# Altium PCB GEM_AFE_128.PcbDoc (part 9 of 18)
Units mm, origin at the board's own origin, x right, y up, seen from the top; angles counter-clockwise.
Board outline 112 x 81.5 mm, 8 copper layers (Top Layer, L1, L2, L3, L4, L5, L6, Bottom Layer), stack 1.52 mm thick; 1880 components, 1258 nets, 6287 pads, 2369 vias.
Unrouted connection lines stored in the file: 4.
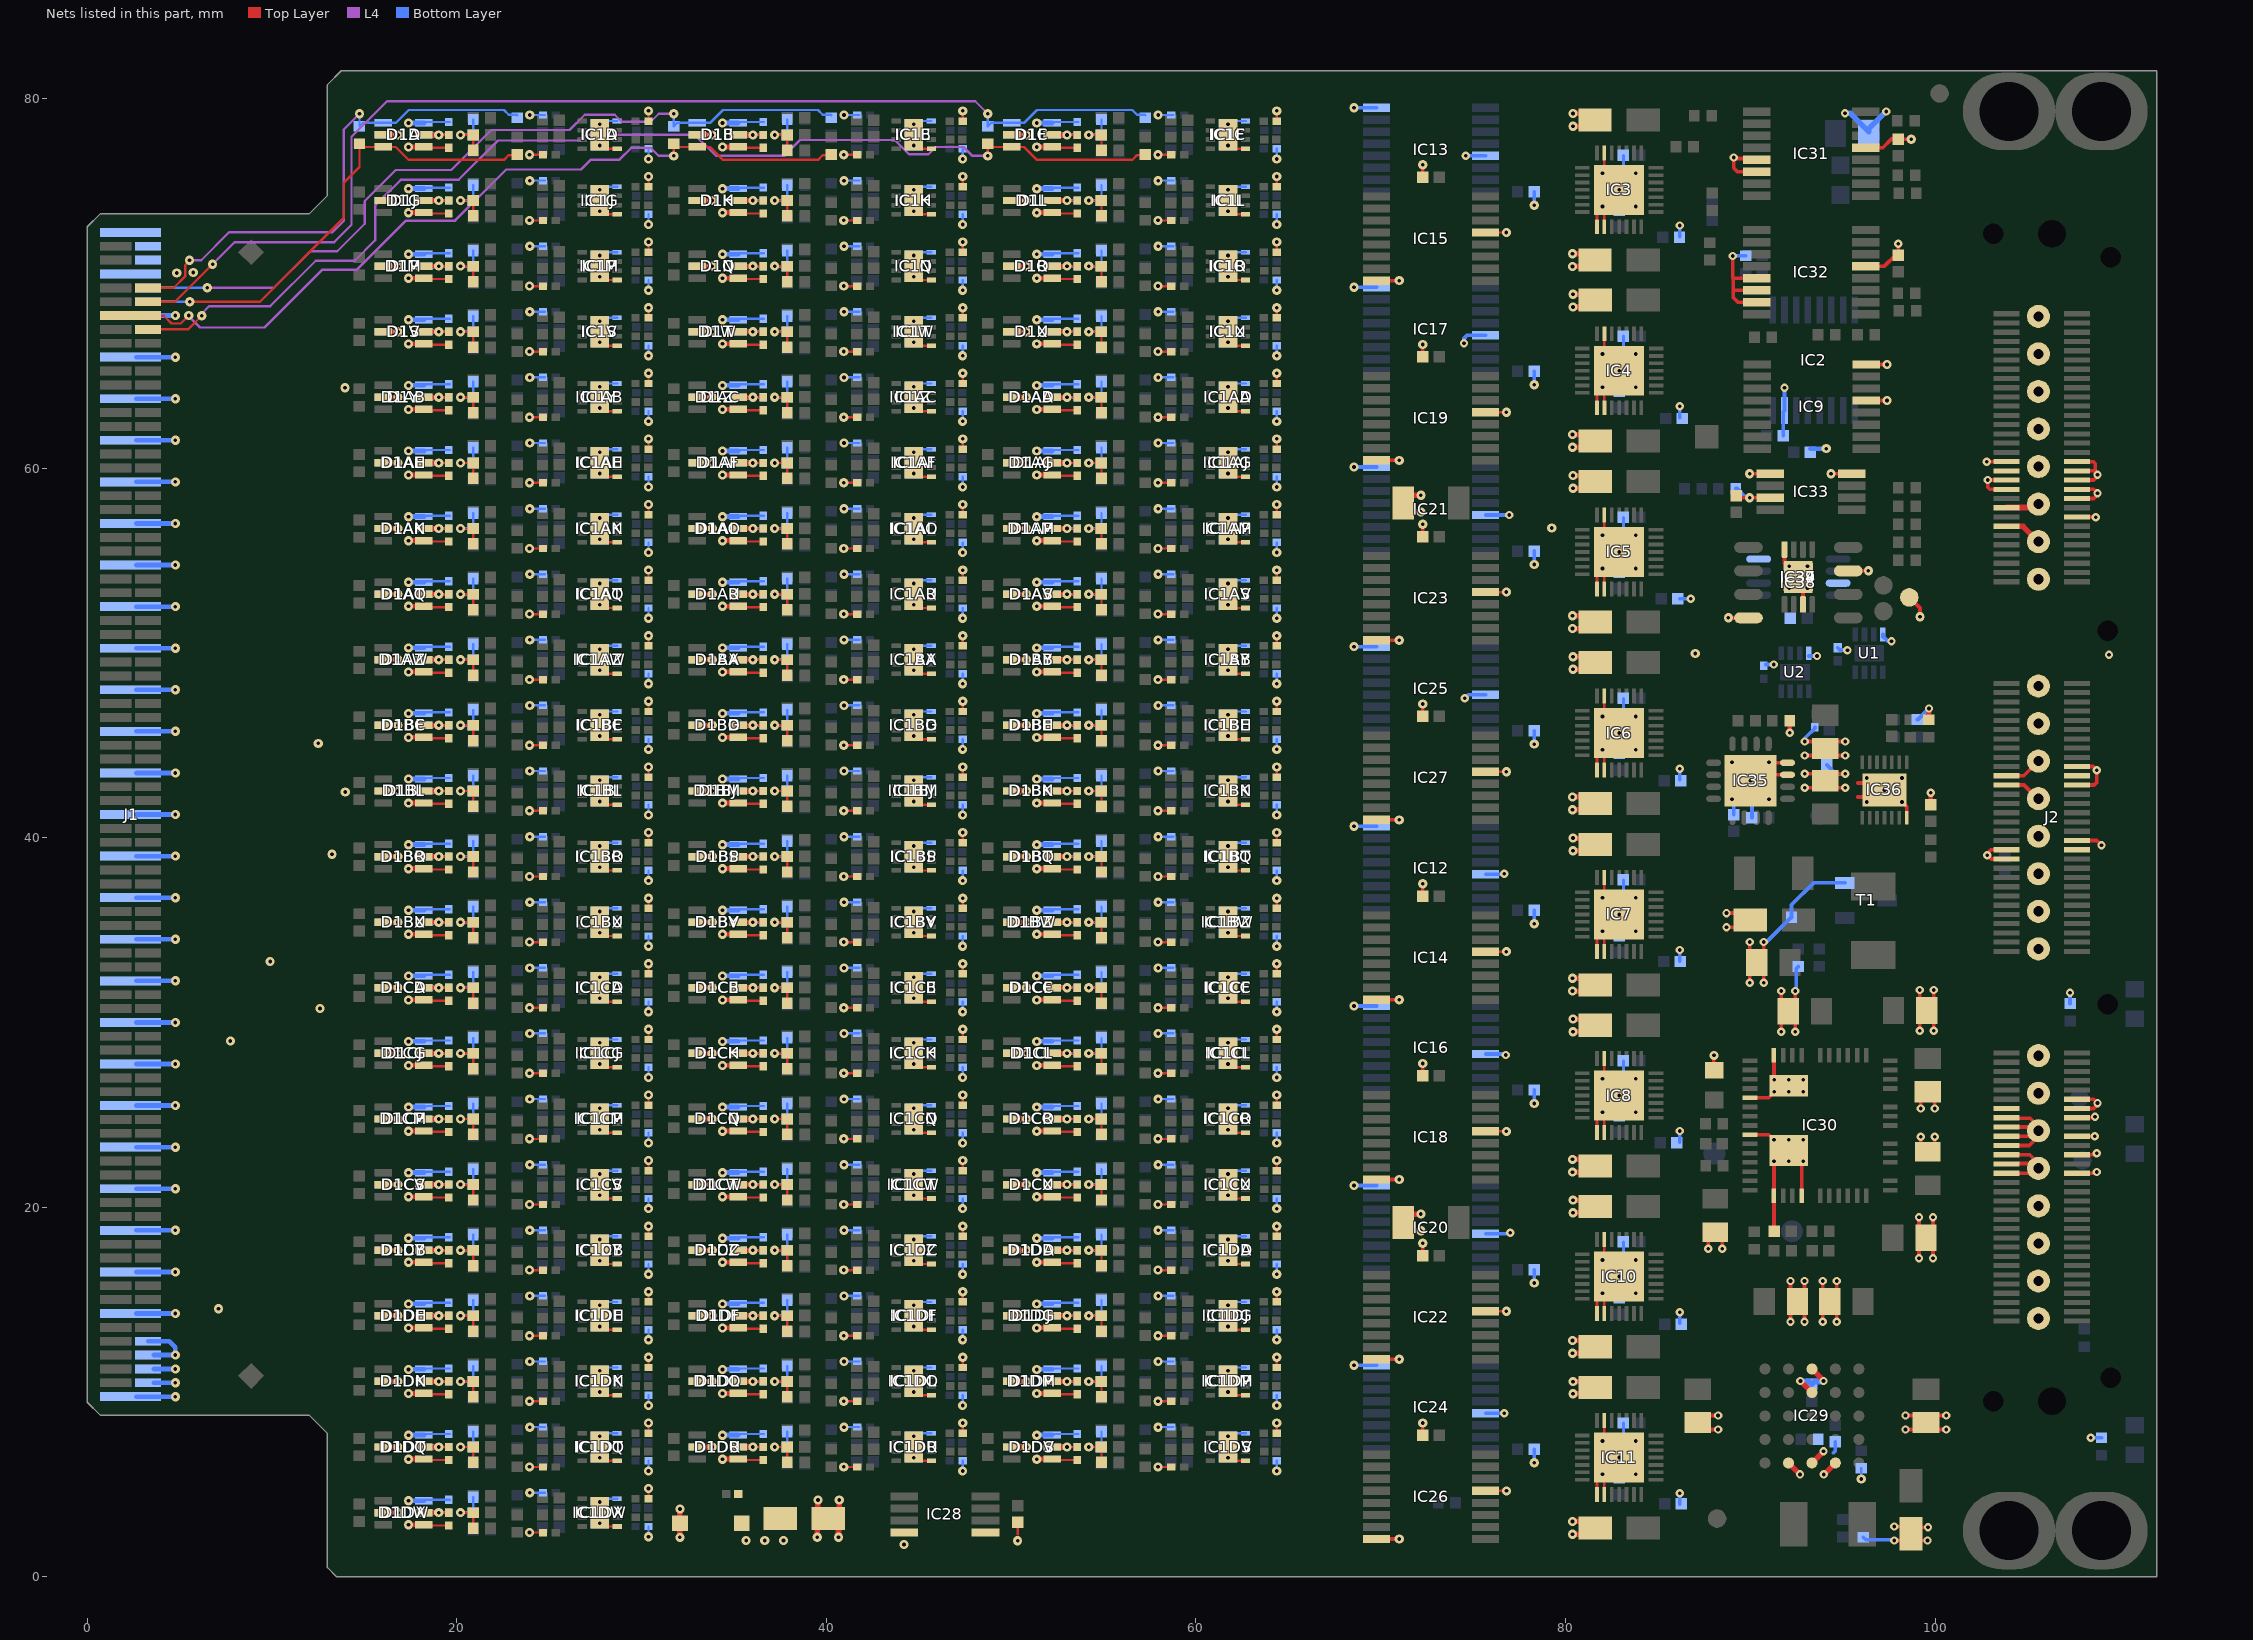
[diagram p15: the nets of this part, all layers, seen from the top]

## Via types
v1: diameter 0.5, hole 0.2, Top Layer to Bottom Layer, tented both sides, 1849 vias
v2: diameter 0.45, hole 0.2, Top Layer to Bottom Layer, tented both sides, 506 vias
v3: diameter 0.45, hole 0.2, Top Layer to Bottom Layer, 14 vias

## Nets (pads, with @x,y where several pads share a name; then routed paths per layer and width w, separated by ;. In a path a pad name is that pad's centre, name@x,y a point inside that pad or via, vN(x,y) a via of type N, cw(c..) or ccw(c..) an arc to the next point about the centre after c; other vN are vias at no path point) (continued)
GND: (continued)
  Bottom Layer w0.127: D1DW.4@18.225,4.125 18.275,4.175 C3DW.1@19.625,4.175 ; D1DQ.4@18.225,7.675 18.275,7.725 C3DQ.1@19.625,7.725 ; D1DK.4@18.225,11.225 18.275,11.275 C3DK.1@19.625,11.275 ; D1DE.4@18.225,14.775 18.275,14.825 C3DE.1@19.625,14.825 ; D1CY.4@18.225,18.325 18.275,18.375 C3CY.1@19.625,18.375 ; D1CS.4@18.225,21.875 18.275,21.925 C3CS.1@19.625,21.925 ; D1CM.4@18.225,25.425 18.275,25.475 C3CM.1@19.625,25.475 ; D1CG.4@18.225,28.975 18.275,29.025 C3CG.1@19.625,29.025 ; D1CA.4@18.225,32.525 18.275,32.575 C3CA.1@19.625,32.575 ; D1BU.4@18.225,36.075 18.275,36.125 C3BU.1@19.625,36.125 ; D1BO.4@18.225,39.625 18.275,39.675 C3BO.1@19.625,39.675 ; D1BI.4@18.225,43.175 18.275,43.225 C3BI.1@19.625,43.225 ; D1BC.4@18.225,46.725 18.275,46.775 C3BC.1@19.625,46.775 ; D1AW.4@18.225,50.275 18.275,50.325 C3AW.1@19.625,50.325 ; D1AQ.4@18.225,53.825 18.275,53.875 C3AQ.1@19.625,53.875 ; D1AK.4@18.225,57.375 18.275,57.425 C3AK.1@19.625,57.425 ; D1AE.4@18.225,60.925 18.275,60.975 C3AE.1@19.625,60.975 ; D1Y.4@18.225,64.475 18.275,64.525 C3Y.1@19.625,64.525 ; D1S.4@18.225,68.025 18.275,68.075 C3S.1@19.625,68.075 ; D1M.4@18.225,71.575 18.275,71.625 C3M.1@19.625,71.625 ; D1G.4@18.225,75.125 18.275,75.175 C3G.1@19.625,75.175 ; D1A.4@18.225,78.675 18.275,78.725 C3A.1@19.625,78.725 ; v1(20.199,3.475) R2DW.1@20.887,3.475 R1DW.1@20.887,4.309 ; v1(20.199,7.025) R2DQ.1@20.887,7.025 R1DQ.1@20.887,7.859 ; v1(20.199,10.575) R2DK.1@20.887,10.575 ; v1(20.199,14.125) R2DE.1@20.887,14.125 R1DE.1@20.887,14.959 ; v1(20.199,17.675) R2CY.1@20.887,17.675 R1CY.1@20.887,18.509 ; v1(20.199,21.225) R2CS.1@20.887,21.225 R1CS.1@20.887,22.059 ; v1(20.199,24.775) R2CM.1@20.887,24.775 R1CM.1@20.887,25.609 ; v1(20.199,28.325) R2CG.1@20.887,28.325 R1CG.1@20.887,29.159 ; v1(20.199,31.875) R2CA.1@20.887,31.875 R1CA.1@20.887,32.709 ; v1(20.199,35.425) R2BU.1@20.887,35.425 R1BU.1@20.887,36.259 ; v1(20.199,38.975) R2BO.1@20.887,38.975 R1BO.1@20.887,39.809 ; v1(20.199,42.525) 20.887,42.525 R1BI.1@20.887,43.359 ; v1(20.199,46.075) R2BC.1@20.887,46.075 R1BC.1@20.887,46.909 ; v1(20.199,49.625) R2AW.1@20.887,49.625 R1AW.1@20.887,50.459 ; v1(20.199,53.175) R2AQ.1@20.887,53.175 R1AQ.1@20.887,54.009 ; v1(20.199,56.725) R2AK.1@20.887,56.725 R1AK.1@20.887,57.559 ; v1(20.199,60.275) R2AE.1@20.887,60.275 R1AE.1@20.887,61.109 ; v1(20.199,63.825) R2Y.1@20.887,63.825 R1Y.1@20.887,64.659 ; v1(20.199,67.375) R2S.1@20.887,67.375 R1S.1@20.887,68.209 ; v1(20.199,70.925) R2M.1@20.887,70.925 R1M.1@20.887,71.759 ; v1(20.199,74.475) R2G.1@20.887,74.475 R1G.1@20.887,75.309 ; v1(20.199,78.025) R2A.1@20.887,78.025 R1A.1@20.887,78.859 ; R2DK.1@20.887,10.575 R1DK.1@20.887,11.409 ; v1@23.991,4.555 C4DW.1@24.775,4.555 ; v1@23.991,8.105 C4DQ.1@24.664,8.105 C4DQ.1@24.775,8.105 ; v1@23.991,11.655 C4DK.1@24.775,11.655 ; v1@23.991,15.205 C4DE.1@24.775,15.205 ; v1@23.991,18.755 C4CY.1@24.775,18.755 ; v1@23.991,22.305 C4CS.1@24.775,22.305 ; v1@23.991,25.855 C4CM.1@24.775,25.855 ; v1@23.991,29.405 C4CG.1@24.775,29.405 ; v1@23.991,32.955 C4CA.1@24.775,32.955 ; v1@23.991,36.505 C4BU.1@24.775,36.505 ; v1@23.991,40.055 C4BO.1@24.775,40.055 ; v1@23.991,43.605 C4BI.1@24.775,43.605 ; v1@23.991,47.155 C4BC.1@24.775,47.155 ; v1@23.991,50.705 C4AW.1@24.775,50.705 ; v1@23.991,54.255 C4AQ.1@24.775,54.255 ; v1@23.991,57.805 C4AK.1@24.775,57.805 ; v1@23.991,61.355 C4AE.1@24.775,61.355 ; v1@23.991,64.905 C4Y.1@24.775,64.905 ; v1@23.991,68.455 C4S.1@24.775,68.455 ; v1@23.991,72.005 C4M.1@24.775,72.005 ; v1@23.991,75.555 C4G.1@24.775,75.555 ; v1@23.991,79.105 C4A.1@24.775,79.105 ; IC1DW.9@27.693,4.225 IC1DW.5@28.686,4.225 ; IC1DQ.9@27.693,7.775 IC1DQ.5@28.675,7.775 IC1DQ.5@28.686,7.775 ; IC1DK.9@27.693,11.325 IC1DK.5@28.685,11.325 ; IC1DE.9@27.693,14.875 IC1DE.5@28.686,14.875 ; IC1CY.9@27.693,18.425 IC1CY.5@28.686,18.425 ; IC1CS.9@27.693,21.975 IC1CS.5@28.686,21.975 ; IC1CM.9@27.693,25.525 IC1CM.5@28.685,25.525 ; IC1CG.9@27.693,29.075 IC1CG.5@28.685,29.075 ; IC1CA.9@27.693,32.625 IC1CA.5@28.686,32.625 ; IC1BU.9@27.693,36.175 IC1BU.5@28.686,36.175 ; IC1BO.9@27.693,39.725 IC1BO.5@28.686,39.725 ; IC1BI.9@27.693,43.275 IC1BI.5@28.685,43.275 ; IC1BC.9@27.693,46.825 IC1BC.5@28.686,46.825 ; IC1AW.9@27.693,50.375 IC1AW.5@28.686,50.375 ; IC1AQ.9@27.693,53.925 IC1AQ.5@28.686,53.925 ; IC1AK.9@27.693,57.475 IC1AK.5@28.686,57.475 ; IC1AE.9@27.693,61.025 IC1AE.5@28.686,61.025 ; IC1Y.9@27.693,64.575 IC1Y.5@28.686,64.575 ; IC1S.9@27.693,68.125 IC1S.5@28.686,68.125 ; IC1M.9@27.693,71.675 IC1M.5@28.686,71.675 ; IC1G.9@27.693,75.225 IC1G.5@28.686,75.225 ; IC1A.9@27.693,78.775 IC1A.5@28.686,78.775 ; v1@30.374,2.175 C6DW.1@30.374,2.724 ; v1(30.373,5.724) C6DQ.1@30.374,6.274 ; v1(30.373,9.274) C6DK.1@30.374,9.824 ; v1@30.374,12.825 C6DE.1@30.374,13.374 ; v1(30.373,16.374) C6CY.1@30.374,16.924 ; v1(30.373,19.924) C6CS.1@30.374,20.474 ; v1@30.374,23.475 C6CM.1@30.374,24.024 ; v1(30.373,27.024) C6CG.1@30.374,27.574 ; v1@30.374,30.575 C6CA.1@30.374,31.124 ; v1@30.374,34.125 C6BU.1@30.374,34.674 ; v1(30.373,37.674) C6BO.1@30.374,38.224 ; v1@30.374,41.225 C6BI.1@30.374,41.774 ; v1(30.373,44.774) C6BC.1@30.374,45.324 ; v1(30.373,48.324) C6AW.1@30.374,48.874 ; v1@30.374,51.875 C6AQ.1@30.374,52.424 ; v1(30.373,55.424) C6AK.1@30.374,55.974 ; v1(30.373,58.974) C6AE.1@30.374,59.524 ; v1@30.374,62.525 C6Y.1@30.374,63.074 ; v1(30.373,66.074) C6S.1@30.374,66.624 ; v1@30.374,69.625 C6M.1@30.374,70.174 ; v1@30.374,73.175 C6G.1@30.374,73.724 ; v1(30.373,76.724) C6A.1@30.374,77.274 ; D1DR.4@35.225,7.675 35.275,7.725 C3DR.1@36.625,7.725 ; D1DL.4@35.225,11.225 35.275,11.275 C3DL.1@36.625,11.275 ; D1DF.4@35.225,14.775 35.275,14.825 C3DF.1@36.625,14.825 ; D1CZ.4@35.225,18.325 35.275,18.375 C3CZ.1@36.625,18.375 ; D1CT.4@35.225,21.875 35.275,21.925 C3CT.1@36.625,21.925 ; D1CN.4@35.225,25.425 35.275,25.475 C3CN.1@36.625,25.475 ; D1CH.4@35.225,28.975 35.275,29.025 C3CH.1@36.625,29.025 ; D1CB.4@35.225,32.525 35.275,32.575 C3CB.1@36.625,32.575 ; D1BV.4@35.225,36.075 35.275,36.125 C3BV.1@36.625,36.125 ; D1BP.4@35.225,39.625 35.275,39.675 C3BP.1@36.625,39.675 ; D1BJ.4@35.225,43.175 35.275,43.225 C3BJ.1@36.625,43.225 ; D1BD.4@35.225,46.725 35.275,46.775 C3BD.1@36.625,46.775 ; D1AX.4@35.225,50.275 35.275,50.325 C3AX.1@36.625,50.325 ; D1AR.4@35.225,53.825 35.275,53.875 C3AR.1@36.625,53.875 ; D1AL.4@35.225,57.375 35.275,57.425 C3AL.1@36.625,57.425 ; D1AF.4@35.225,60.925 35.275,60.975 C3AF.1@36.625,60.975 ; D1Z.4@35.225,64.475 35.275,64.525 C3Z.1@36.625,64.525 ; D1T.4@35.225,68.025 35.275,68.075 C3T.1@36.625,68.075 ; D1N.4@35.225,71.575 35.275,71.625 C3N.1@36.625,71.625 ; D1H.4@35.225,75.125 35.275,75.175 C3H.1@36.625,75.175 ; D1B.4@35.225,78.675 35.275,78.725 C3B.1@36.625,78.725 ; v1(37.199,7.025) R2DR.1@37.887,7.025 R1DR.1@37.887,7.859 ; v1(37.199,10.575) R2DL.1@37.887,10.575 ; v1(37.199,14.125) R2DF.1@37.887,14.125 R1DF.1@37.887,14.959 ; v1(37.199,17.675) R2CZ.1@37.887,17.675 R1CZ.1@37.887,18.509 ; v1(37.199,21.225) R2CT.1@37.887,21.225 R1CT.1@37.887,22.059 ; v1(37.199,24.775) R2CN.1@37.887,24.775 R1CN.1@37.887,25.609 ; v1(37.199,28.325) R2CH.1@37.887,28.325 R1CH.1@37.887,29.159 ; v1(37.199,31.875) R2CB.1@37.887,31.875 R1CB.1@37.887,32.709 ; v1(37.199,35.425) R2BV.1@37.887,35.425 R1BV.1@37.887,36.259 ; v1(37.199,38.975) R2BP.1@37.887,38.975 R1BP.1@37.887,39.809 ; v1(37.199,42.525) 37.887,42.525 R1BJ.1@37.887,43.359 ; v1(37.199,46.075) R2BD.1@37.887,46.075 R1BD.1@37.887,46.909 ; v1(37.199,49.625) R2AX.1@37.887,49.625 R1AX.1@37.887,50.459 ; v1(37.199,53.175) R2AR.1@37.887,53.175 R1AR.1@37.887,54.009 ; v1(37.199,56.725) R2AL.1@37.887,56.725 R1AL.1@37.887,57.559 ; v1(37.199,60.275) R2AF.1@37.887,60.275 R1AF.1@37.887,61.109 ; v1(37.199,63.825) R2Z.1@37.887,63.825 R1Z.1@37.887,64.659 ; v1(37.199,67.375) R2T.1@37.887,67.375 R1T.1@37.887,68.209 ; v1(37.199,70.925) R2N.1@37.887,70.925 R1N.1@37.887,71.759 ; v1(37.199,74.475) R2H.1@37.887,74.475 R1H.1@37.887,75.309 ; v1(37.199,78.025) R2B.1@37.887,78.025 R1B.1@37.887,78.859 ; R2DL.1@37.887,10.575 R1DL.1@37.887,11.409 ; v1@40.991,8.105 C4DR.1@41.664,8.105 C4DR.1@41.775,8.105 ; v1@40.991,11.655 C4DL.1@41.775,11.655 ; v1@40.991,15.205 C4DF.1@41.775,15.205 ; v1@40.991,18.755 C4CZ.1@41.775,18.755 ; v1@40.991,22.305 C4CT.1@41.775,22.305 ; v1@40.991,25.855 C4CN.1@41.775,25.855 ; v1@40.991,29.405 C4CH.1@41.775,29.405 ; v1@40.991,32.955 C4CB.1@41.775,32.955 ; v1@40.991,36.505 C4BV.1@41.775,36.505 ; v1@40.991,40.055 C4BP.1@41.775,40.055 ; v1@40.991,43.605 C4BJ.1@41.775,43.605 ; v1@40.991,47.155 C4BD.1@41.775,47.155 ; v1@40.991,50.705 C4AX.1@41.775,50.705 ; v1@40.991,54.255 C4AR.1@41.775,54.255 ; v1@40.991,57.805 C4AL.1@41.775,57.805 ; v1@40.991,61.355 C4AF.1@41.775,61.355 ; v1@40.991,64.905 C4Z.1@41.775,64.905 ; v1@40.991,68.455 C4T.1@41.775,68.455 ; v1@40.991,72.005 C4N.1@41.775,72.005 ; v1@40.991,75.555 C4H.1@41.775,75.555 ; v1@40.991,79.105 C4B.1@41.775,79.105 ; IC1DL.9@44.693,11.325 IC1DL.5@45.685,11.325 ; IC1CN.9@44.693,25.525 IC1CN.5@45.685,25.525 ; IC1CH.9@44.693,29.075 IC1CH.5@45.685,29.075 ; IC1BJ.9@44.693,43.275 IC1BJ.5@45.685,43.275 ; IC1DR.9@44.693,7.775 IC1DR.5@45.675,7.775 IC1DR.5@45.686,7.775 ; IC1DF.9@44.693,14.875 IC1DF.5@45.686,14.875 ; IC1CZ.9@44.693,18.425 IC1CZ.5@45.686,18.425 ; IC1CT.9@44.693,21.975 IC1CT.5@45.686,21.975 ; IC1CB.9@44.693,32.625 IC1CB.5@45.686,32.625 ; IC1BV.9@44.693,36.175 IC1BV.5@45.686,36.175 ; IC1BP.9@44.693,39.725 IC1BP.5@45.686,39.725 ; IC1BD.9@44.693,46.825 IC1BD.5@45.686,46.825 ; IC1AX.9@44.693,50.375 IC1AX.5@45.686,50.375 ; IC1AR.9@44.693,53.925 IC1AR.5@45.686,53.925 ; IC1AL.9@44.693,57.475 IC1AL.5@45.686,57.475 ; IC1AF.9@44.693,61.025 IC1AF.5@45.686,61.025 ; IC1Z.9@44.693,64.575 IC1Z.5@45.686,64.575 ; IC1T.9@44.693,68.125 IC1T.5@45.686,68.125 ; IC1N.9@44.693,71.675 IC1N.5@45.686,71.675 ; IC1H.9@44.693,75.225 IC1H.5@45.686,75.225 ; IC1B.9@44.693,78.775 IC1B.5@45.686,78.775 ; v1(47.373,5.724) C6DR.1@47.374,6.274 ; v1(47.373,9.274) C6DL.1@47.374,9.824 ; v1@47.374,12.825 C6DF.1@47.374,13.374 ; v1(47.373,16.374) C6CZ.1@47.374,16.924 ; v1(47.373,19.924) C6CT.1@47.374,20.474 ; v1@47.374,23.475 C6CN.1@47.374,24.024 ; v1(47.373,27.024) C6CH.1@47.374,27.574 ; v1@47.374,30.575 C6CB.1@47.374,31.124 ; v1@47.374,34.125 C6BV.1@47.374,34.674 ; v1(47.373,37.674) C6BP.1@47.374,38.224 ; v1@47.374,41.225 C6BJ.1@47.374,41.774 ; v1(47.373,44.774) C6BD.1@47.374,45.324 ; v1(47.373,48.324) C6AX.1@47.374,48.874 ; v1@47.374,51.875 C6AR.1@47.374,52.424 ; v1(47.373,55.424) C6AL.1@47.374,55.974 ; v1(47.373,58.974) C6AF.1@47.374,59.524 ; v1@47.374,62.525 C6Z.1@47.374,63.074 ; v1(47.373,66.074) C6T.1@47.374,66.624 ; v1@47.374,69.625 C6N.1@47.374,70.174 ; v1@47.374,73.175 C6H.1@47.374,73.724 ; v1(47.373,76.724) C6B.1@47.374,77.274 ; D1DS.4@52.225,7.675 52.275,7.725 C3DS.1@53.625,7.725 ; D1DM.4@52.225,11.225 52.275,11.275 C3DM.1@53.625,11.275 ; D1DG.4@52.225,14.775 52.275,14.825 C3DG.1@53.625,14.825 ; D1DA.4@52.225,18.325 52.275,18.375 C3DA.1@53.625,18.375 ; D1CU.4@52.225,21.875 52.275,21.925 C3CU.1@53.625,21.925 ; D1CO.4@52.225,25.425 52.275,25.475 C3CO.1@53.625,25.475 ; D1CI.4@52.225,28.975 52.275,29.025 C3CI.1@53.625,29.025 ; D1CC.4@52.225,32.525 52.275,32.575 C3CC.1@53.625,32.575 ; D1BW.4@52.225,36.075 52.275,36.125 C3BW.1@53.625,36.125 ; D1BQ.4@52.225,39.625 52.275,39.675 C3BQ.1@53.625,39.675 ; D1BK.4@52.225,43.175 52.275,43.225 C3BK.1@53.625,43.225 ; D1BE.4@52.225,46.725 52.275,46.775 C3BE.1@53.625,46.775 ; D1AY.4@52.225,50.275 52.275,50.325 C3AY.1@53.625,50.325 ; D1AS.4@52.225,53.825 52.275,53.875 C3AS.1@53.625,53.875 ; D1AM.4@52.225,57.375 52.275,57.425 C3AM.1@53.625,57.425 ; D1AG.4@52.225,60.925 52.275,60.975 C3AG.1@53.625,60.975 ; D1AA.4@52.225,64.475 52.275,64.525 C3AA.1@53.625,64.525 ; D1U.4@52.225,68.025 52.275,68.075 C3U.1@53.625,68.075 ; D1O.4@52.225,71.575 52.275,71.625 C3O.1@53.625,71.625 ; D1I.4@52.225,75.125 52.275,75.175 C3I.1@53.625,75.175 ; D1C.4@52.225,78.675 52.275,78.725 C3C.1@53.625,78.725 ; v1(54.199,7.025) R2DS.1@54.887,7.025 R1DS.1@54.887,7.859 ; v1(54.199,10.575) R2DM.1@54.887,10.575 ; v1(54.199,14.125) R2DG.1@54.887,14.125 R1DG.1@54.887,14.959 ; v1(54.199,17.675) R2DA.1@54.887,17.675 R1DA.1@54.887,18.509 ; v1(54.199,21.225) R2CU.1@54.887,21.225 R1CU.1@54.887,22.059 ; v1(54.199,24.775) R2CO.1@54.887,24.775 R1CO.1@54.887,25.609 ; v1(54.199,28.325) R2CI.1@54.887,28.325 R1CI.1@54.887,29.159 ; v1(54.199,31.875) R2CC.1@54.887,31.875 R1CC.1@54.887,32.709 ; v1(54.199,35.425) R2BW.1@54.887,35.425 R1BW.1@54.887,36.259 ; v1(54.199,38.975) R2BQ.1@54.887,38.975 R1BQ.1@54.887,39.809 ; v1(54.199,42.525) 54.887,42.525 R1BK.1@54.887,43.359 ; v1(54.199,46.075) R2BE.1@54.887,46.075 R1BE.1@54.887,46.909 ; v1(54.199,49.625) R2AY.1@54.887,49.625 R1AY.1@54.887,50.459 ; v1(54.199,53.175) R2AS.1@54.887,53.175 R1AS.1@54.887,54.009 ; v1(54.199,56.725) R2AM.1@54.887,56.725 R1AM.1@54.887,57.559 ; v1(54.199,60.275) R2AG.1@54.887,60.275 R1AG.1@54.887,61.109 ; v1(54.199,63.825) R2AA.1@54.887,63.825 R1AA.1@54.887,64.659 ; v1(54.199,67.375) R2U.1@54.887,67.375 R1U.1@54.887,68.209 ; v1(54.199,70.925) R2O.1@54.887,70.925 R1O.1@54.887,71.759 ; v1(54.199,74.475) R2I.1@54.887,74.475 R1I.1@54.887,75.309 ; v1(54.199,78.025) R2C.1@54.887,78.025 R1C.1@54.887,78.859 ; R2DM.1@54.887,10.575 R1DM.1@54.887,11.409 ; v1@57.991,8.105 C4DS.1@58.664,8.105 C4DS.1@58.775,8.105 ; v1@57.991,11.655 C4DM.1@58.775,11.655 ; v1@57.991,15.205 C4DG.1@58.775,15.205 ; v1@57.991,18.755 C4DA.1@58.775,18.755 ; v1@57.991,22.305 C4CU.1@58.775,22.305 ; v1@57.991,25.855 C4CO.1@58.775,25.855 ; v1@57.991,29.405 C4CI.1@58.775,29.405 ; v1@57.991,32.955 C4CC.1@58.775,32.955 ; v1@57.991,36.505 C4BW.1@58.775,36.505 ; v1@57.991,40.055 C4BQ.1@58.775,40.055 ; v1@57.991,43.605 C4BK.1@58.775,43.605 ; v1@57.991,47.155 C4BE.1@58.775,47.155 ; v1@57.991,50.705 C4AY.1@58.775,50.705 ; v1@57.991,54.255 C4AS.1@58.775,54.255 ; v1@57.991,57.805 C4AM.1@58.775,57.805 ; v1@57.991,61.355 C4AG.1@58.775,61.355 ; v1@57.991,64.905 C4AA.1@58.775,64.905 ; v1@57.991,68.455 C4U.1@58.775,68.455 ; v1@57.991,72.005 C4O.1@58.775,72.005 ; v1@57.991,75.555 C4I.1@58.775,75.555 ; v1@57.991,79.105 C4C.1@58.775,79.105 ; IC1DM.9@61.693,11.325 IC1DM.5@62.685,11.325 ; IC1CO.9@61.693,25.525 IC1CO.5@62.685,25.525 ; IC1CI.9@61.693,29.075 IC1CI.5@62.685,29.075 ; IC1BK.9@61.693,43.275 IC1BK.5@62.685,43.275 ; IC1DS.9@61.693,7.775 IC1DS.5@62.675,7.775 IC1DS.5@62.686,7.775 ; IC1DG.9@61.693,14.875 IC1DG.5@62.686,14.875 ; IC1DA.9@61.693,18.425 IC1DA.5@62.686,18.425 ; IC1CU.9@61.693,21.975 IC1CU.5@62.686,21.975 ; IC1CC.9@61.693,32.625 IC1CC.5@62.686,32.625 ; IC1BW.9@61.693,36.175 IC1BW.5@62.686,36.175 ; IC1BQ.9@61.693,39.725 IC1BQ.5@62.686,39.725 ; IC1BE.9@61.693,46.825 IC1BE.5@62.686,46.825 ; IC1AY.9@61.693,50.375 IC1AY.5@62.686,50.375 ; IC1AS.9@61.693,53.925 IC1AS.5@62.686,53.925 ; IC1AM.9@61.693,57.475 IC1AM.5@62.686,57.475 ; IC1AG.9@61.693,61.025 IC1AG.5@62.686,61.025 ; IC1AA.9@61.693,64.575 IC1AA.5@62.686,64.575 ; IC1U.9@61.693,68.125 IC1U.5@62.686,68.125 ; IC1O.9@61.693,71.675 IC1O.5@62.686,71.675 ; IC1I.9@61.693,75.225 IC1I.5@62.686,75.225 ; IC1C.9@61.693,78.775 IC1C.5@62.686,78.775 ; v1(64.373,5.724) C6DS.1@64.374,6.274 ; v1(64.373,9.274) C6DM.1@64.374,9.824 ; v1@64.374,12.825 C6DG.1@64.374,13.374 ; v1(64.373,16.374) C6DA.1@64.374,16.924 ; v1(64.373,19.924) C6CU.1@64.374,20.474 ; v1@64.374,23.475 C6CO.1@64.374,24.024 ; v1(64.373,27.024) C6CI.1@64.374,27.574 ; v1@64.374,30.575 C6CC.1@64.374,31.124 ; v1@64.374,34.125 C6BW.1@64.374,34.674 ; v1(64.373,37.674) C6BQ.1@64.374,38.224 ; v1@64.374,41.225 C6BK.1@64.374,41.774 ; v1(64.373,44.774) C6BE.1@64.374,45.324 ; v1(64.373,48.324) C6AY.1@64.374,48.874 ; v1@64.374,51.875 C6AS.1@64.374,52.424 ; v1(64.373,55.424) C6AM.1@64.374,55.974 ; v1(64.373,58.974) C6AG.1@64.374,59.524 ; v1@64.374,62.525 C6AA.1@64.374,63.074 ; v1(64.373,66.074) C6U.1@64.374,66.624 ; v1@64.374,69.625 C6O.1@64.374,70.174 ; v1@64.374,73.175 C6I.1@64.374,73.724 ; v1(64.373,76.724) C6C.1@64.374,77.274
  Bottom Layer w0.14: v1(95.996,5.293) 96,5.297 R15.1@96,5.88
  Bottom Layer w0.16: C34.1@83.124,57.33 83.124,56.516 83.278,56.362 v1@83.795,56.362 ; C43.1@83.125,8.325 83.125,7.511 83.279,7.357 v1@83.796,7.357 ; C22.1@83.125,18.121 83.125,17.307 83.279,17.153 v1@83.796,17.153 ; C45.1@83.125,27.917 83.125,27.103 83.279,26.949 v1@83.796,26.949 ; C24.1@83.125,37.713 83.125,36.899 83.279,36.745 v1@83.796,36.745 ; C12.1@83.125,47.53 83.125,46.717 83.279,46.562 v1@83.796,46.562 ; C32.1@83.125,76.922 83.125,76.108 83.279,75.954 v1@83.796,75.954 ; C14.1@83.131,67.133 83.131,66.319 83.285,66.165 v1(83.802,66.165)
  Bottom Layer w0.2: v1(68.55,11.45) IC24.8@69.775,11.45 ; v1(68.55,21.171) IC20.8@69.775,21.171 ; v1(68.55,30.893) IC16.8@69.775,30.893 ; v1(68.55,40.614) IC12.8@69.775,40.614 ; v1(68.55,50.336) IC25.8@69.775,50.336 ; v1(68.55,60.057) IC21.8@69.775,60.057 ; v1(68.55,69.779) IC17.8@69.775,69.779 ; v1(68.55,79.5) IC13.8@69.775,79.5 ; v2(74.5,66.75) 74.5,67.007 74.671,67.179 IC17.13@75.675,67.179 ; v2(74.55,47.55) 74.736,47.736 IC25.13@75.675,47.736 ; v2(74.6,76.9) 74.7,76.9 IC13.13@75.675,76.9 ; IC24.13@75.675,8.85 v2(76.675,8.85) ; IC20.13@75.675,18.571 76.953,18.571 v2(77,18.619) ; IC16.13@75.675,28.293 76.718,28.293 v2(76.77,28.241) ; IC12.13@75.675,38.014 76.644,38.014 v2(76.675,38.045) ; IC21.13@75.675,57.457 v2(76.957,57.457) ; v1(78.3,6.175) C68.1@78.3,6.9 ; v1(78.3,15.896) C66.1@78.3,16.621 ; v1(78.3,25.618) C64.1@78.3,26.343 ; v1(78.3,35.339) C62.1@78.3,36.064 ; v1(78.3,45.061) C60.1@78.3,45.786 ; v1(78.3,54.782) C58.1@78.3,55.507 ; v1(78.3,64.504) C54.1@78.3,65.229 ; v1(78.3,74.225) C52.1@78.3,74.95 ; v1@81.994,5.553 82.061,5.553 82.261,5.353 C47.1@82.897,5.353 83.533,5.353 83.733,5.553 v1(83.8,5.553) ; v1@81.994,15.349 82.061,15.349 82.261,15.149 83.533,15.149 83.733,15.349 v1(83.8,15.349) ; v1@81.994,25.145 82.061,25.145 82.261,24.945 83.533,24.945 83.733,25.145 v1(83.8,25.145) ; v1@81.994,34.941 82.061,34.941 82.261,34.741 83.533,34.741 83.733,34.941 v1(83.8,34.941) ; v1@81.994,44.758 82.061,44.758 82.261,44.558 83.533,44.558 83.733,44.758 v1(83.8,44.758) ; v1@81.993,54.558 82.06,54.558 82.26,54.358 83.532,54.358 83.732,54.558 v1(83.8,54.558) ; v1@81.994,74.15 82.061,74.15 82.261,73.95 C18.1@82.897,73.95 83.533,73.95 83.733,74.15 v1(83.8,74.15) ; v1@81.996,64.365 82.063,64.365 82.263,64.165 83.535,64.165 83.735,64.365 v1(83.802,64.365) ; C29.1@86.173,52.932 v2(86.775,52.932) ; C51.1@86.174,3.927 v2(86.174,4.529) ; C50.1@86.174,13.723 v2(86.174,14.325) ; C39.1@86.174,23.519 v2(86.174,24.121) ; C40.1@86.174,33.315 v2(86.174,33.917) ; C30.1@86.174,43.132 v2(86.174,43.734) ; C20.1@86.174,72.524 v2(86.174,73.126) ; C19.1@86.176,62.739 v2(86.176,63.341) ; v3(89.005,42.075) 89.017,42.064 89.336,42.064 89.5,41.9 ; v2(89.048,71.469) 89.06,71.481 R55.1@89.75,71.481 ; C86.1@89.1,41.24 v3@89.1,41.881 ; R52.1@89.209,58.888 89.287,58.888 89.782,58.392 v1(89.959,58.392) ; C84.1@90.083,41.074 90.083,41.715 ; v2(90.73,34.354) 90.874,34.354 92.2,35.679 R45.1@92.229,35.679 92.229,36.364 93.415,37.55 T1.2@95.116,37.55 ; C98.1@90.841,49.367 v2(91.264,49.367) ; C100.2@91.781,61.754 91.781,63.044 IC2.15@91.846,63.109 v2(91.846,64.339) v2@91.846,64.346 ; v2(92.43,31.704) 92.479,31.753 92.479,32.911 R51.1@92.598,33.03 ; v2(92.946,45.205) 92.946,45.374 93.492,45.92 C99.1@93.492,45.972 ; U2.4@93.164,49.823 v2(93.606,49.823) ; R42.1@94.126,43.952 94.622,43.455 v2(95.129,43.455) ; 94.498,6.712 94.593,6.807 94.593,7.293 C85.2@94.6,7.3 ; C7.1@94.725,50.27 94.845,50.15 v2@95.251,50.15 ; R53.1@96.115,2.147 96.258,2.004 97.752,2.004 v2(97.788,1.968) ; U1.4@97.175,50.995 97.175,50.869 97.203,50.84 97.237,50.84 97.447,50.63 v2(97.642,50.63) ; R54.1@99.024,46.39 99.069,46.39 v2(99.665,46.986) ; R44.1@107.3,31.02 v2(107.3,31.6) ; v2(108.42,7.52) R43.1@109,7.52
  Bottom Layer w0.254: J1.170@2.65,9.75 v1(4.775,9.75) ; J1.164@2.65,14.25 v1(4.775,14.25) ; J1.161@2.65,16.5 v1(4.775,16.5) ; J1.158@2.65,18.75 v1(4.775,18.75) ; J1.155@2.65,21 v1(4.775,21) ; J1.152@2.65,23.25 v1(4.775,23.25) ; J1.149@2.65,25.5 v1(4.775,25.5) ; J1.146@2.65,27.75 v1(4.775,27.75) ; J1.143@2.65,30 v1(4.775,30) ; J1.140@2.65,32.25 v1(4.775,32.25) ; J1.137@2.65,34.5 v1(4.775,34.5) ; J1.134@2.65,36.75 v1(4.775,36.75) ; J1.131@2.65,39 v1(4.775,39) ; J1.128@2.65,41.25 v1(4.775,41.25) ; J1.125@2.65,43.5 v1(4.775,43.5) ; J1.122@2.65,45.75 v1(4.775,45.75) ; J1.119@2.65,48 v1(4.775,48) ; J1.116@2.65,50.25 v1(4.775,50.25) ; J1.113@2.65,52.5 v1(4.775,52.5) ; J1.110@2.65,54.75 v1(4.775,54.75) ; J1.107@2.65,57 v1(4.775,57) ; J1.104@2.65,59.25 v1(4.775,59.25) ; J1.101@2.65,61.5 v1(4.775,61.5) ; J1.98@2.65,63.75 v1(4.775,63.75) ; J1.95@2.65,66 v1(4.775,66) ; J1.92@2.65,68.25 v1(4.775,68.25) ; J1.166@3.3,12.75 4.45,12.75 4.775,12.425 v1(4.775,12) J1.167@3.6,12 ; J1.169@3.6,10.5 v1(4.775,10.5) ; J1.168@3.6,11.25 v1(4.775,11.25) ; D1DW.2@16.025,3.475 v1(16.825,3.475) ; D1DQ.2@16.025,7.025 v1(16.825,7.025) ; D1DK.2@16.025,10.575 v1(16.825,10.575) ; D1DE.2@16.025,14.125 v1(16.825,14.125) ; D1CY.2@16.025,17.675 v1(16.825,17.675) ; D1CS.2@16.025,21.225 v1(16.825,21.225) ; D1CM.2@16.025,24.775 v1(16.825,24.775) ; D1CG.2@16.025,28.325 v1(16.825,28.325) ; D1CA.2@16.025,31.875 v1(16.825,31.875) ; D1BU.2@16.025,35.425 v1(16.825,35.425) ; D1BO.2@16.025,38.975 v1(16.825,38.975) ; D1BI.2@16.025,42.525 v1(16.825,42.525) ; D1BC.2@16.025,46.075 v1(16.825,46.075) ; D1AW.2@16.025,49.625 v1(16.825,49.625) ; D1AQ.2@16.025,53.175 v1(16.825,53.175) ; D1AK.2@16.025,56.725 v1(16.825,56.725) ; D1AE.2@16.025,60.275 v1(16.825,60.275) ; D1Y.2@16.025,63.825 v1(16.825,63.825) ; D1S.2@16.025,67.375 v1(16.825,67.375) ; D1M.2@16.025,70.925 v1(16.825,70.925) ; D1G.2@16.025,74.475 v1(16.825,74.475) ; D1A.2@16.025,78.025 v1(16.825,78.025) ; v1@17.341,4.125 D1DW.4@18.225,4.125 ; v1@17.341,7.675 D1DQ.4@18.225,7.675 ; v1@17.341,11.225 D1DK.4@18.225,11.225 ; v1@17.341,14.775 D1DE.4@18.225,14.775 ; v1@17.341,18.325 D1CY.4@18.225,18.325 ; v1@17.341,21.875 D1CS.4@18.225,21.875 ; v1@17.341,25.425 D1CM.4@18.225,25.425 ; v1@17.341,28.975 D1CG.4@18.225,28.975 ; v1@17.341,32.525 D1CA.4@18.225,32.525 ; v1@17.341,36.075 D1BU.4@18.225,36.075 ; v1@17.341,39.625 D1BO.4@18.225,39.625 ; v1@17.341,43.175 D1BI.4@18.225,43.175 ; v1@17.341,46.725 D1BC.4@18.225,46.725 ; v1@17.341,50.275 D1AW.4@18.225,50.275 ; v1@17.341,53.825 D1AQ.4@18.225,53.825 ; v1@17.341,57.375 D1AK.4@18.225,57.375 ; v1@17.341,60.925 D1AE.4@18.225,60.925 ; v1@17.341,64.475 D1Y.4@18.225,64.475 ; v1@17.341,68.025 D1S.4@18.225,68.025 ; v1@17.341,71.575 D1M.4@18.225,71.575 ; v1@17.341,75.125 D1G.4@18.225,75.125 ; v1@17.341,78.675 D1A.4@18.225,78.675 ; D1DR.2@33.025,7.025 v1(33.825,7.025) ; D1DL.2@33.025,10.575 v1(33.825,10.575) ; D1DF.2@33.025,14.125 v1(33.825,14.125) ; D1CZ.2@33.025,17.675 v1(33.825,17.675) ; D1CT.2@33.025,21.225 v1(33.825,21.225) ; D1CN.2@33.025,24.775 v1(33.825,24.775) ; D1CH.2@33.025,28.325 v1(33.825,28.325) ; D1CB.2@33.025,31.875 v1(33.825,31.875) ; D1BV.2@33.025,35.425 v1(33.825,35.425) ; D1BP.2@33.025,38.975 v1(33.825,38.975) ; D1BJ.2@33.025,42.525 v1(33.825,42.525) ; D1BD.2@33.025,46.075 v1(33.825,46.075) ; D1AX.2@33.025,49.625 v1(33.825,49.625) ; D1AR.2@33.025,53.175 v1(33.825,53.175) ; D1AL.2@33.025,56.725 v1(33.825,56.725) ; D1AF.2@33.025,60.275 v1(33.825,60.275) ; D1Z.2@33.025,63.825 v1(33.825,63.825) ; D1T.2@33.025,67.375 v1(33.825,67.375) ; D1N.2@33.025,70.925 v1(33.825,70.925) ; D1H.2@33.025,74.475 v1(33.825,74.475) ; D1B.2@33.025,78.025 v1(33.825,78.025) ; v1@34.341,7.675 D1DR.4@35.225,7.675 ; v1@34.341,11.225 D1DL.4@35.225,11.225 ; v1@34.341,14.775 D1DF.4@35.225,14.775 ; v1@34.341,18.325 D1CZ.4@35.225,18.325 ; v1@34.341,21.875 D1CT.4@35.225,21.875 ; v1@34.341,25.425 D1CN.4@35.225,25.425 ; v1@34.341,28.975 D1CH.4@35.225,28.975 ; v1@34.341,32.525 D1CB.4@35.225,32.525 ; v1@34.341,36.075 D1BV.4@35.225,36.075 ; v1@34.341,39.625 D1BP.4@35.225,39.625 ; v1@34.341,43.175 D1BJ.4@35.225,43.175 ; v1@34.341,46.725 D1BD.4@35.225,46.725 ; v1@34.341,50.275 D1AX.4@35.225,50.275 ; v1@34.341,53.825 D1AR.4@35.225,53.825 ; v1@34.341,57.375 D1AL.4@35.225,57.375 ; v1@34.341,60.925 D1AF.4@35.225,60.925 ; v1@34.341,64.475 D1Z.4@35.225,64.475 ; v1@34.341,68.025 D1T.4@35.225,68.025 ; v1@34.341,71.575 D1N.4@35.225,71.575 ; v1@34.341,75.125 D1H.4@35.225,75.125 ; v1@34.341,78.675 D1B.4@35.225,78.675 ; D1DS.2@50.025,7.025 v1(50.825,7.025) ; D1DM.2@50.025,10.575 v1(50.825,10.575) ; D1DG.2@50.025,14.125 v1(50.825,14.125) ; D1DA.2@50.025,17.675 v1(50.825,17.675) ; D1CU.2@50.025,21.225 v1(50.825,21.225) ; D1CO.2@50.025,24.775 v1(50.825,24.775) ; D1CI.2@50.025,28.325 v1(50.825,28.325) ; D1CC.2@50.025,31.875 v1(50.825,31.875) ; D1BW.2@50.025,35.425 v1(50.825,35.425) ; D1BQ.2@50.025,38.975 v1(50.825,38.975) ; D1BK.2@50.025,42.525 v1(50.825,42.525) ; D1BE.2@50.025,46.075 v1(50.825,46.075) ; D1AY.2@50.025,49.625 v1(50.825,49.625) ; D1AS.2@50.025,53.175 v1(50.825,53.175) ; D1AM.2@50.025,56.725 v1(50.825,56.725) ; D1AG.2@50.025,60.275 v1(50.825,60.275) ; D1AA.2@50.025,63.825 v1(50.825,63.825) ; D1U.2@50.025,67.375 v1(50.825,67.375) ; D1O.2@50.025,70.925 v1(50.825,70.925) ; D1I.2@50.025,74.475 v1(50.825,74.475) ; D1C.2@50.025,78.025 v1(50.825,78.025) ; v1@51.341,7.675 D1DS.4@52.225,7.675 ; v1@51.341,11.225 D1DM.4@52.225,11.225 ; v1@51.341,14.775 D1DG.4@52.225,14.775 ; v1@51.341,18.325 D1DA.4@52.225,18.325 ; v1@51.341,21.875 D1CU.4@52.225,21.875 ; v1@51.341,25.425 D1CO.4@52.225,25.425 ; v1@51.341,28.975 D1CI.4@52.225,28.975 ; v1@51.341,32.525 D1CC.4@52.225,32.525 ; v1@51.341,36.075 D1BW.4@52.225,36.075 ; v1@51.341,39.625 D1BQ.4@52.225,39.625 ; v1@51.341,43.175 D1BK.4@52.225,43.175 ; v1@51.341,46.725 D1BE.4@52.225,46.725 ; v1@51.341,50.275 D1AY.4@52.225,50.275 ; v1@51.341,53.825 D1AS.4@52.225,53.825 ; v1@51.341,57.375 D1AM.4@52.225,57.375 ; v1@51.341,60.925 D1AG.4@52.225,60.925 ; v1@51.341,64.475 D1AA.4@52.225,64.475 ; v1@51.341,68.025 D1U.4@52.225,68.025 ; v1@51.341,71.575 D1O.4@52.225,71.575 ; v1@51.341,75.125 D1I.4@52.225,75.125 ; v1@51.341,78.675 D1C.4@52.225,78.675 ; C28.1@93.25,61.05 v1(94.111,61.05)